# Altium PCB Mainboard_V1.0.PcbDoc (part 1 of 4)
Units mm, origin at the board's own origin, x right, y up, seen from the top; angles counter-clockwise.
Board outline 150 x 150 mm, 4 copper layers (Top Layer, Mid-Layer 1, Mid-Layer 2, Bottom Layer), stack 1.58 mm thick; 217 components, 154 nets, 806 pads, 700 vias.
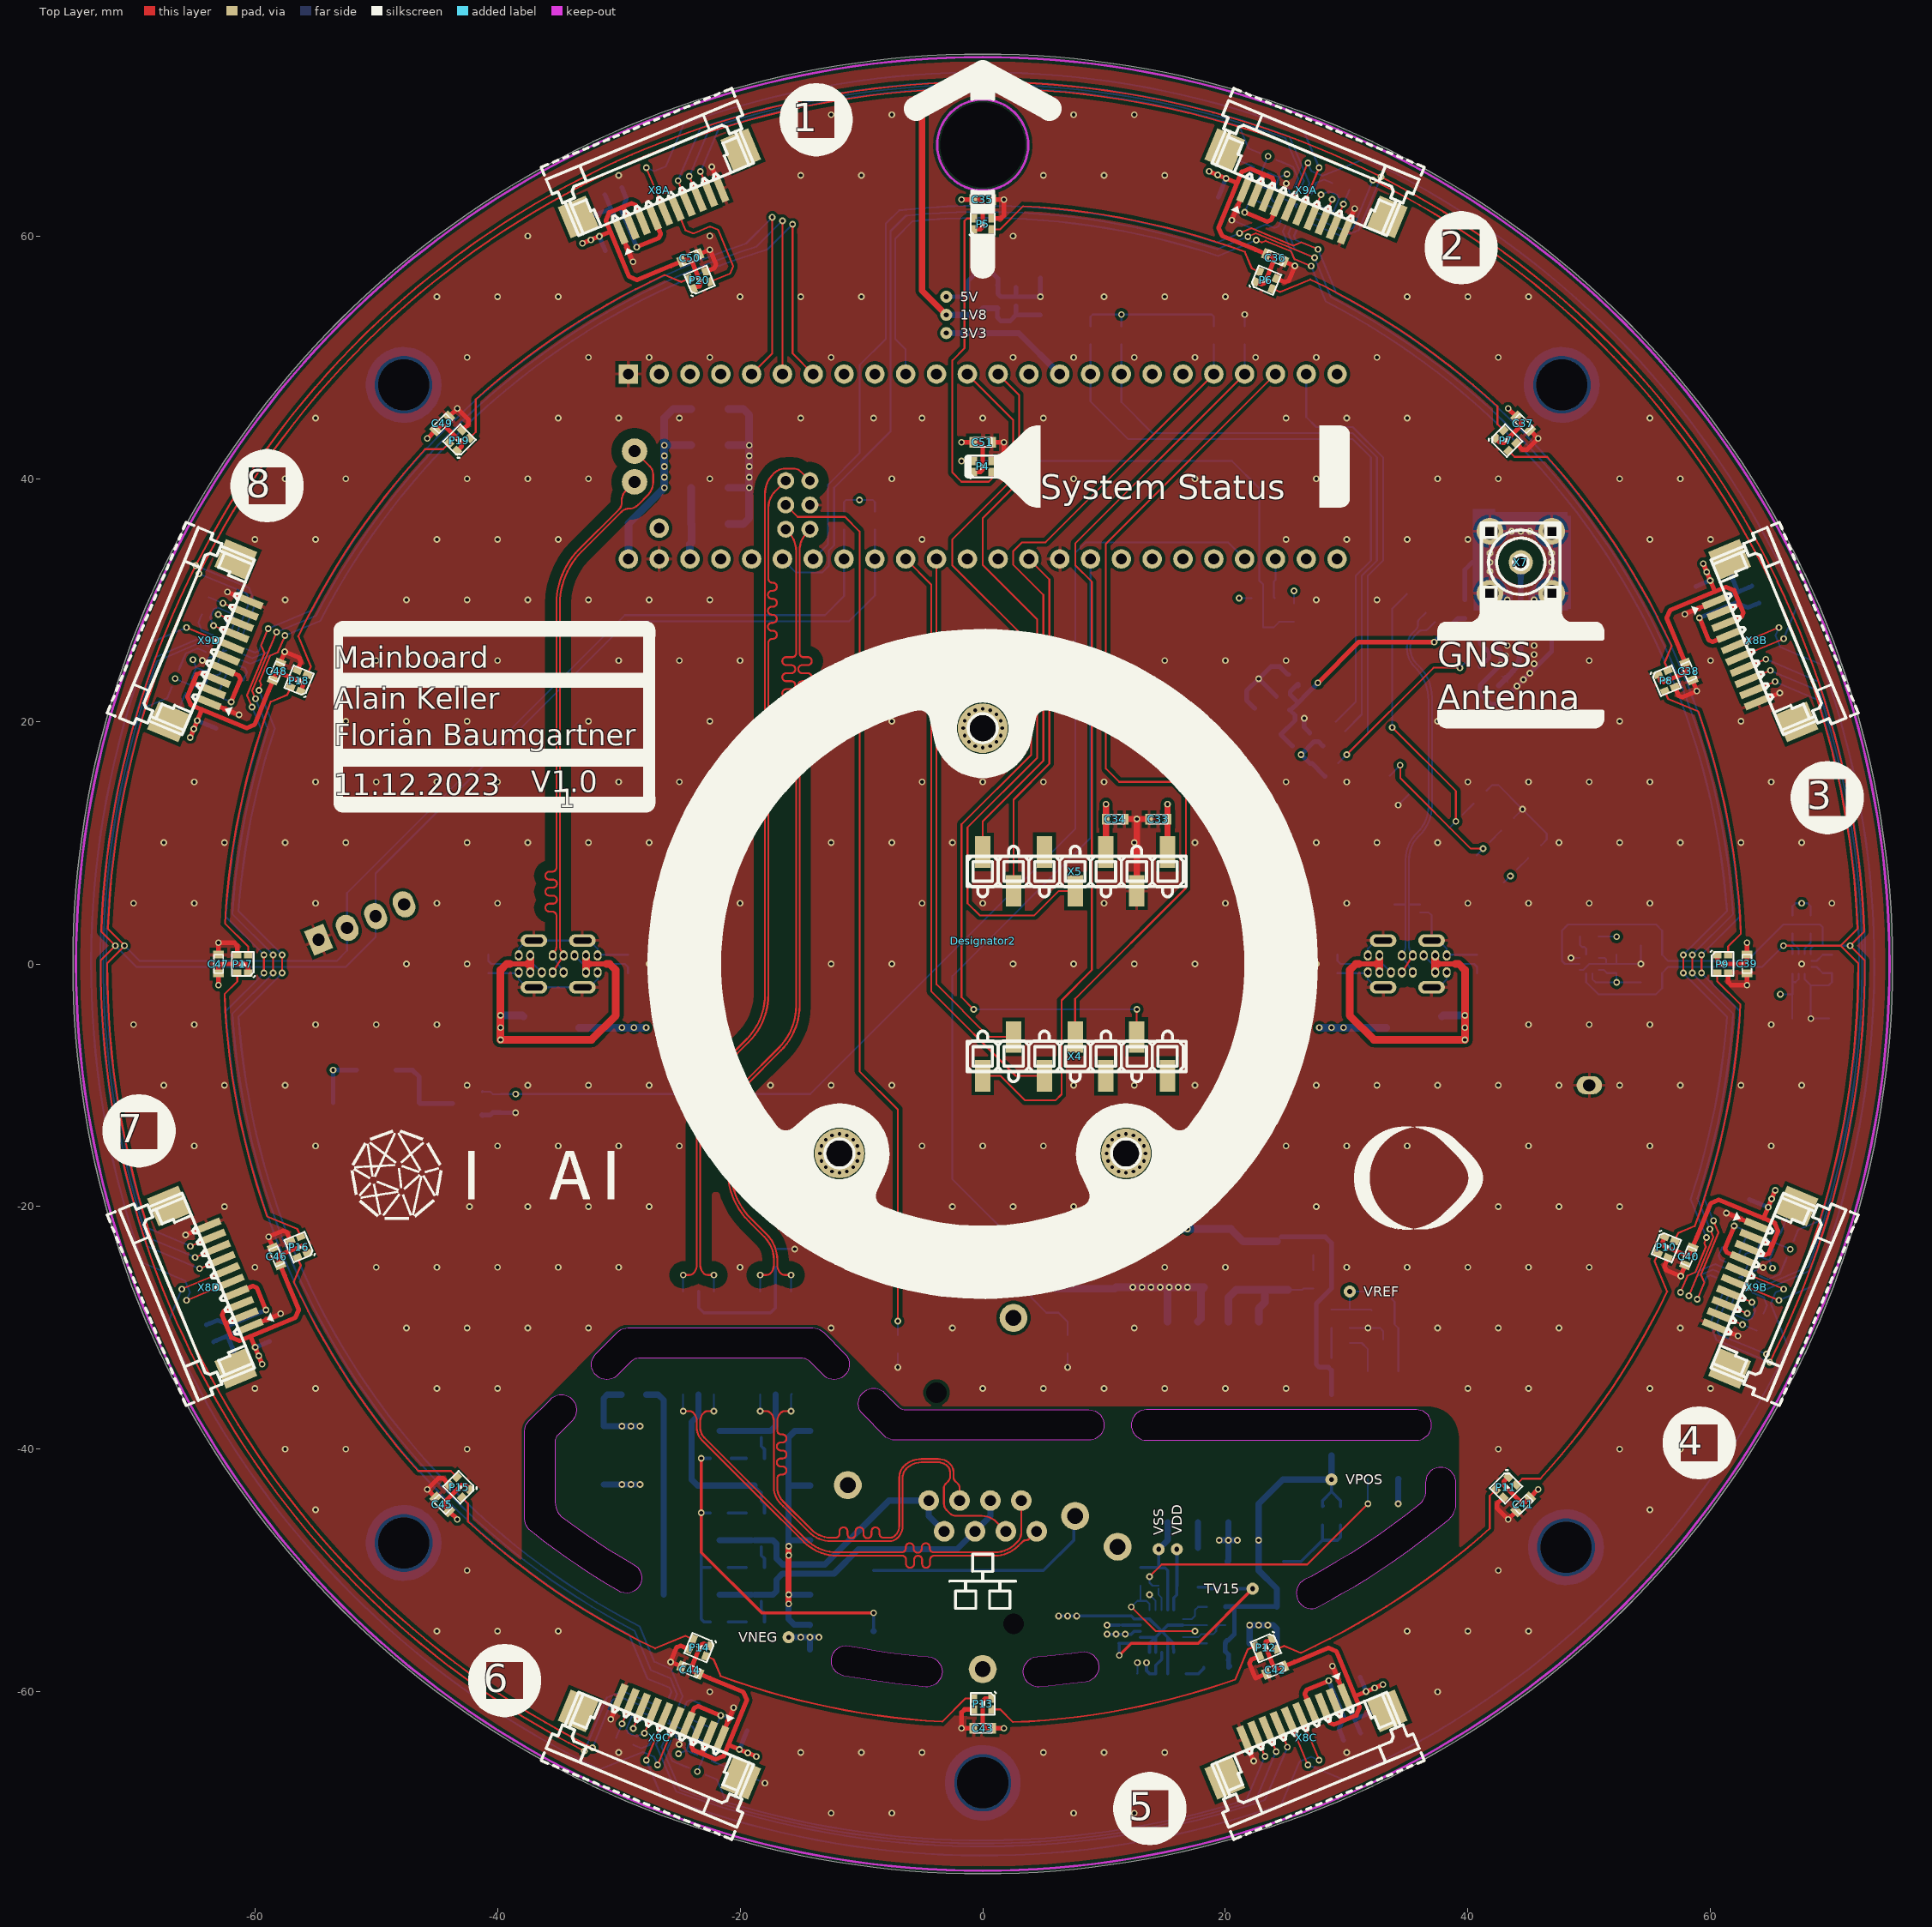
[diagram p0: Top Layer view]
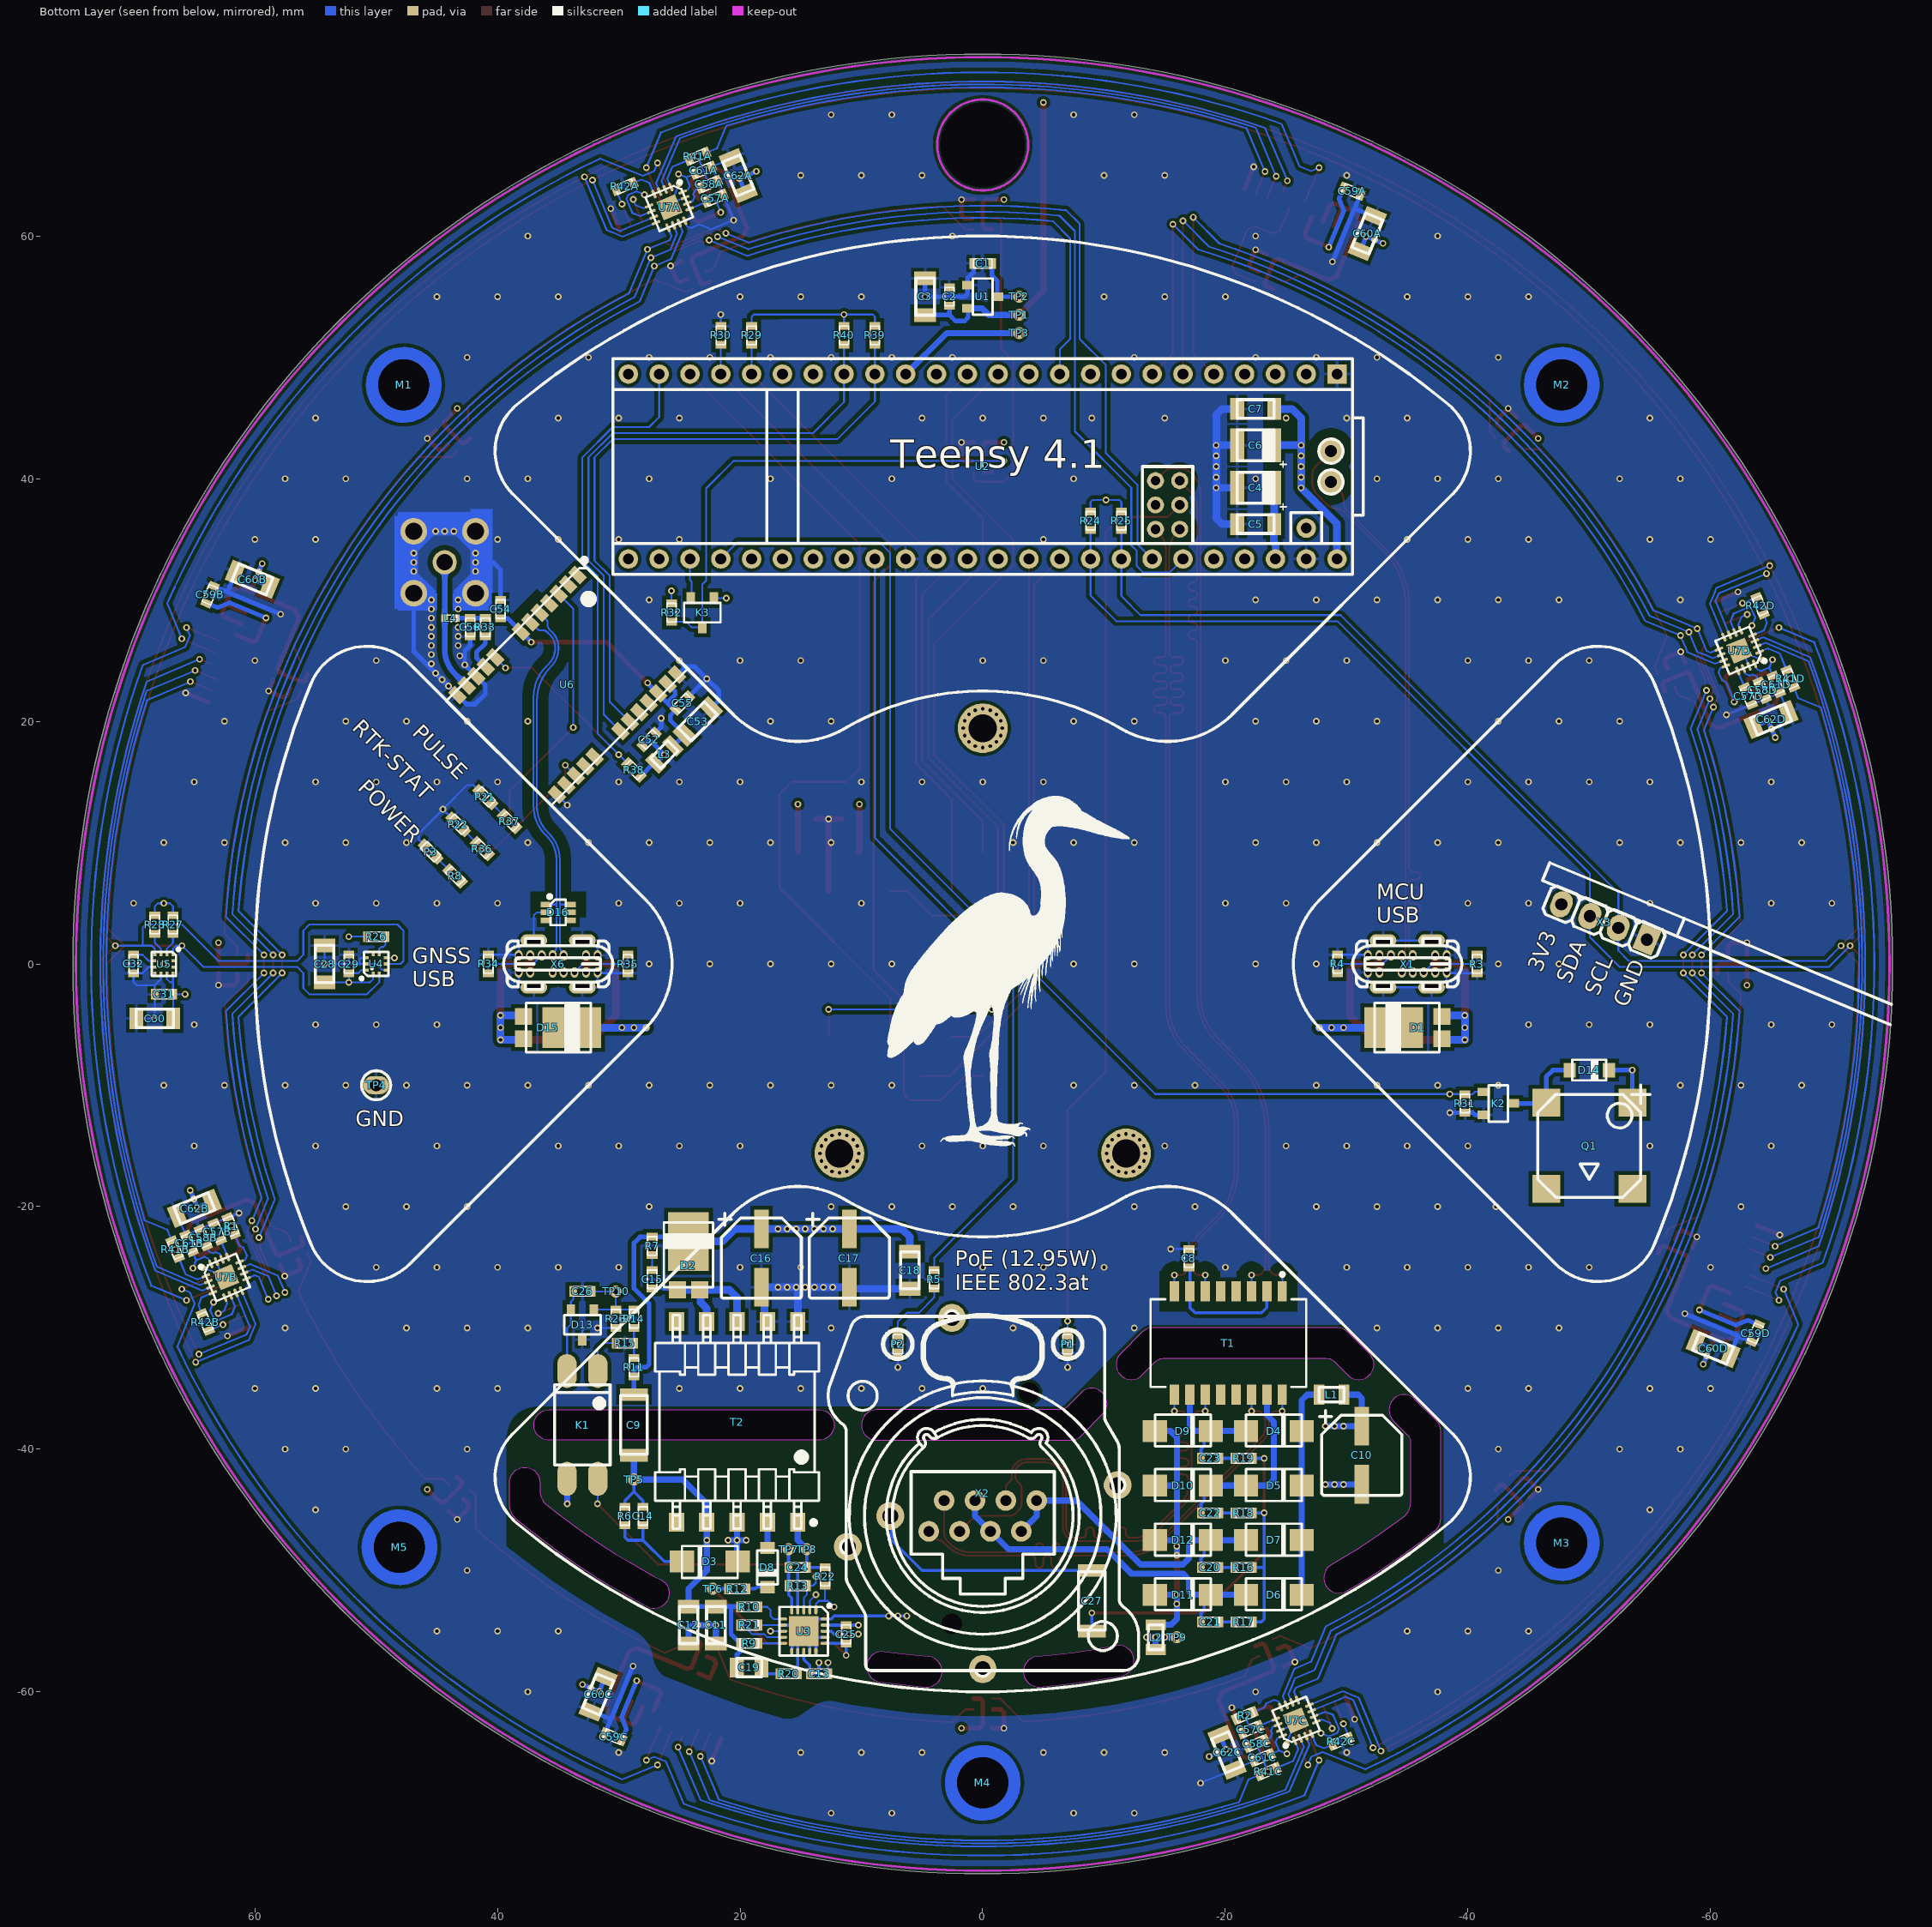
[diagram p1: Bottom Layer view, seen from below]
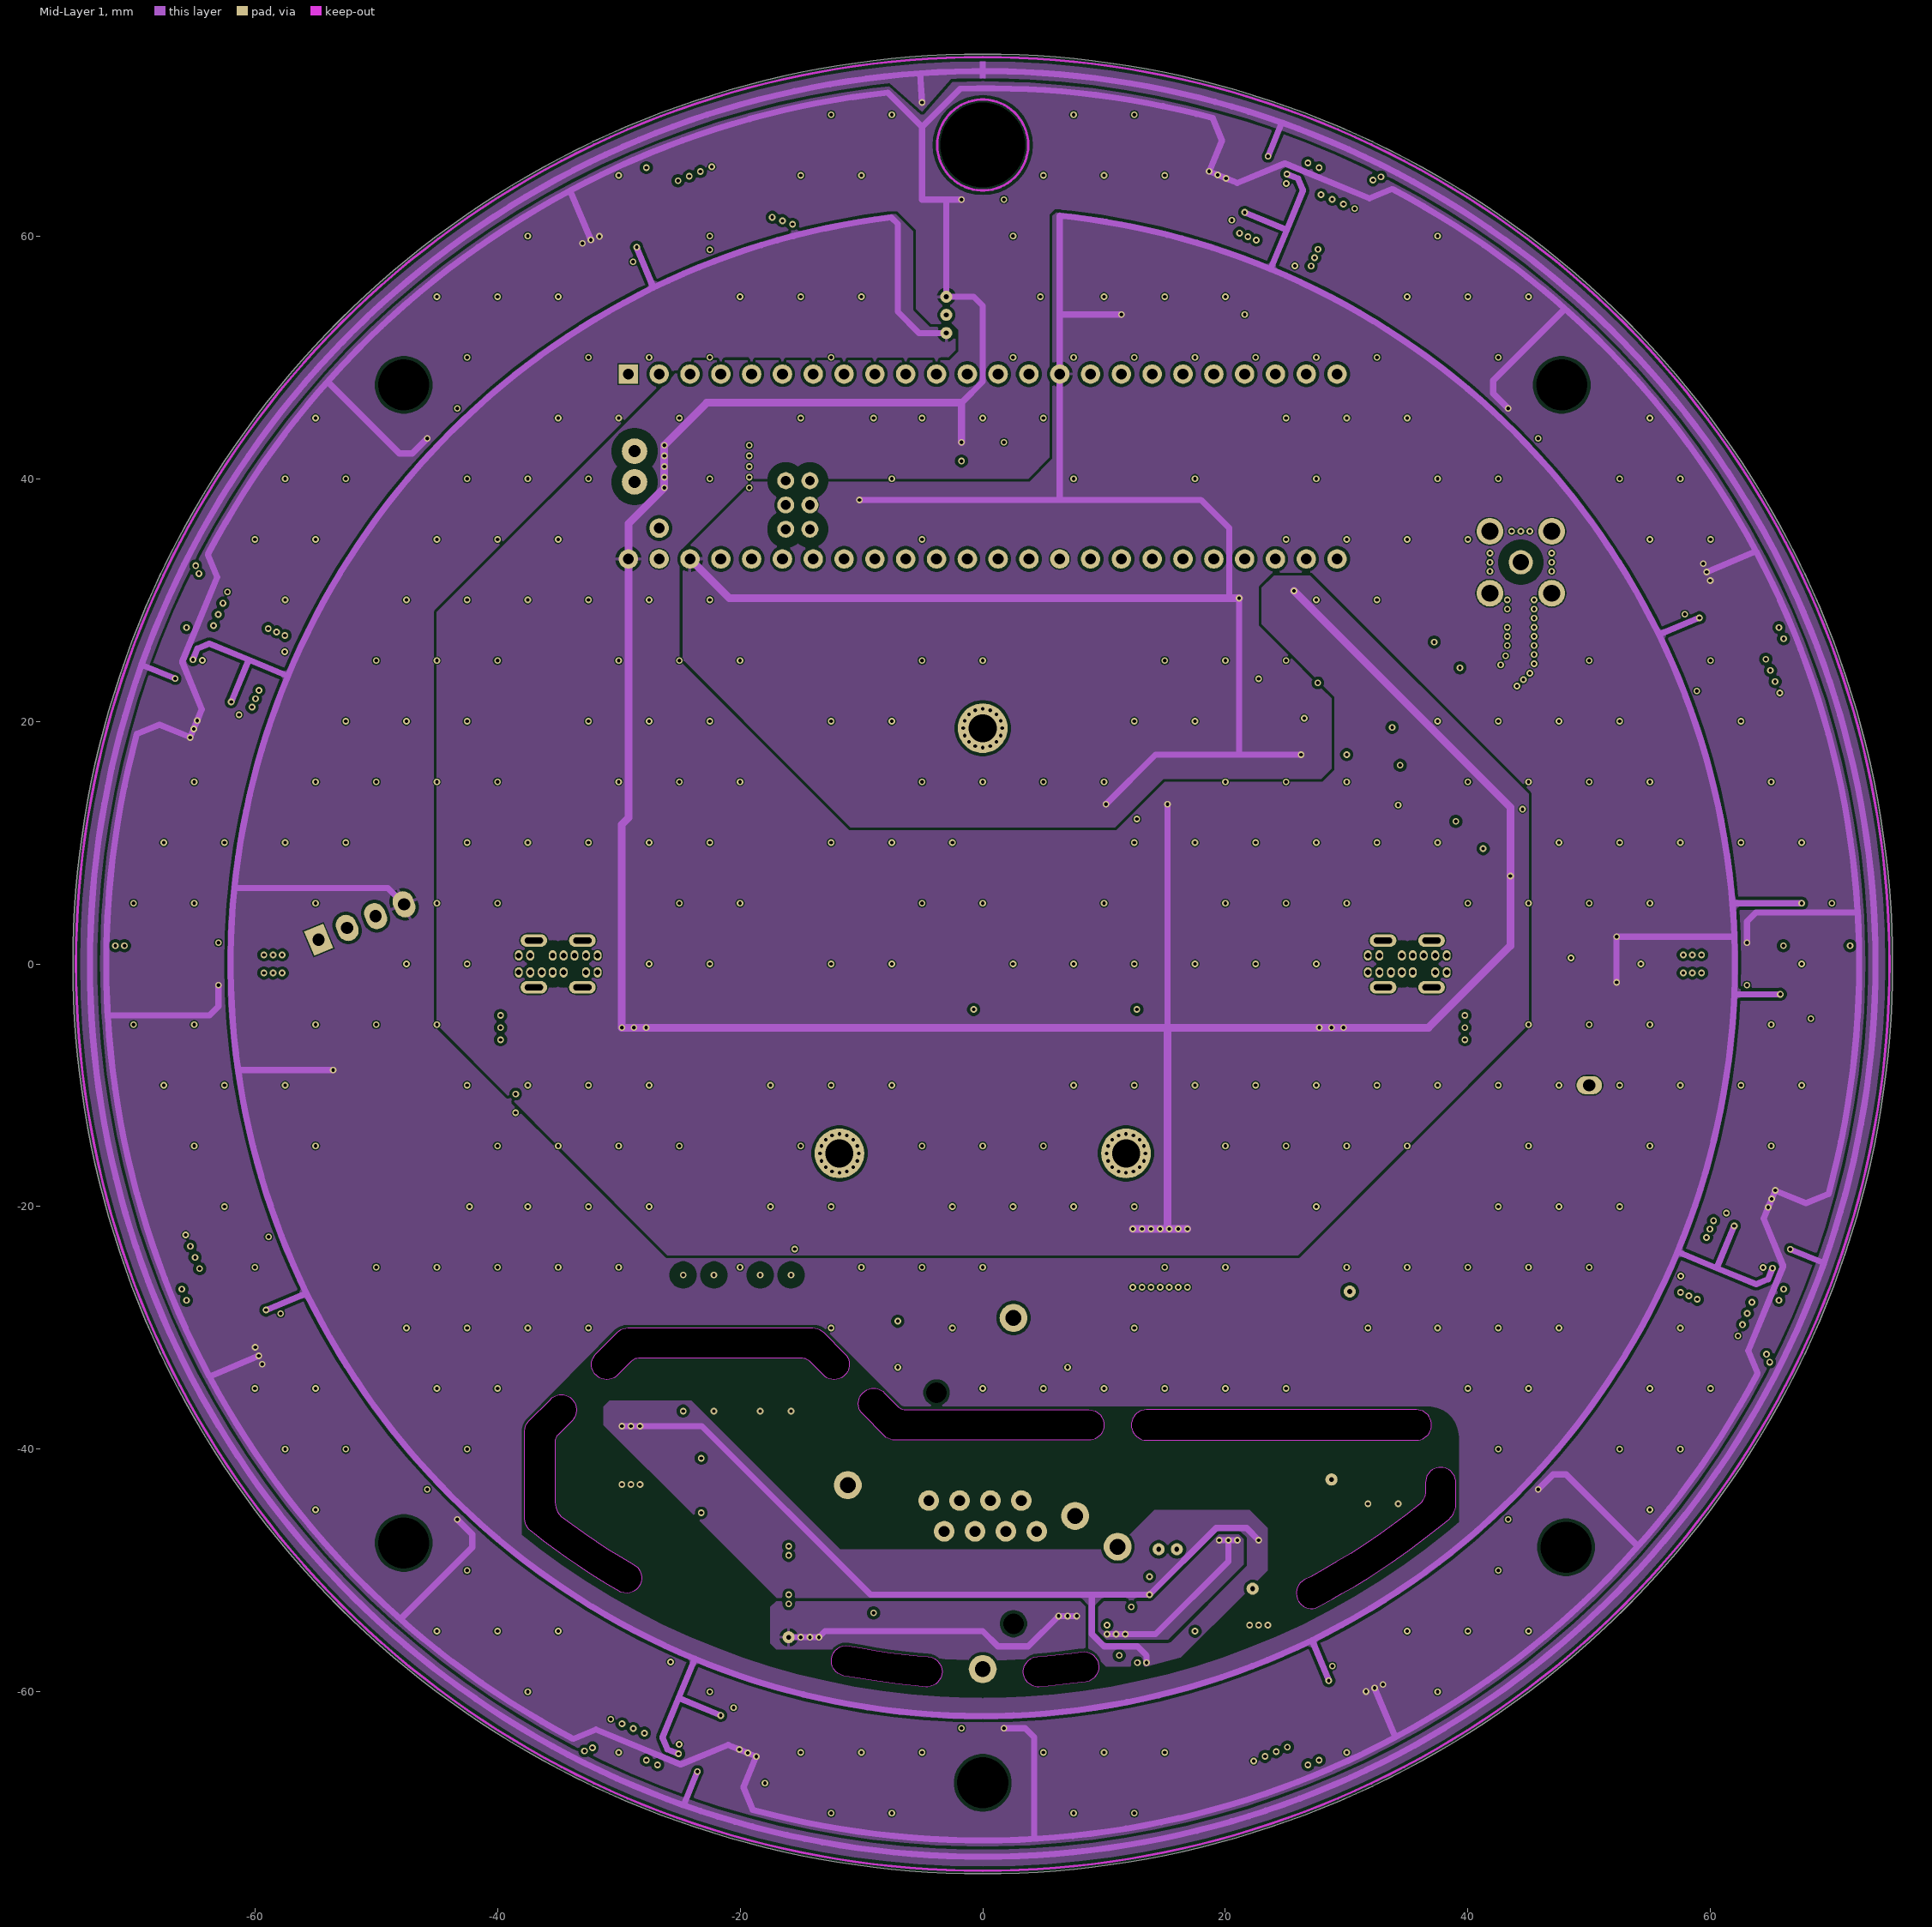
[diagram p2: Mid-Layer 1]
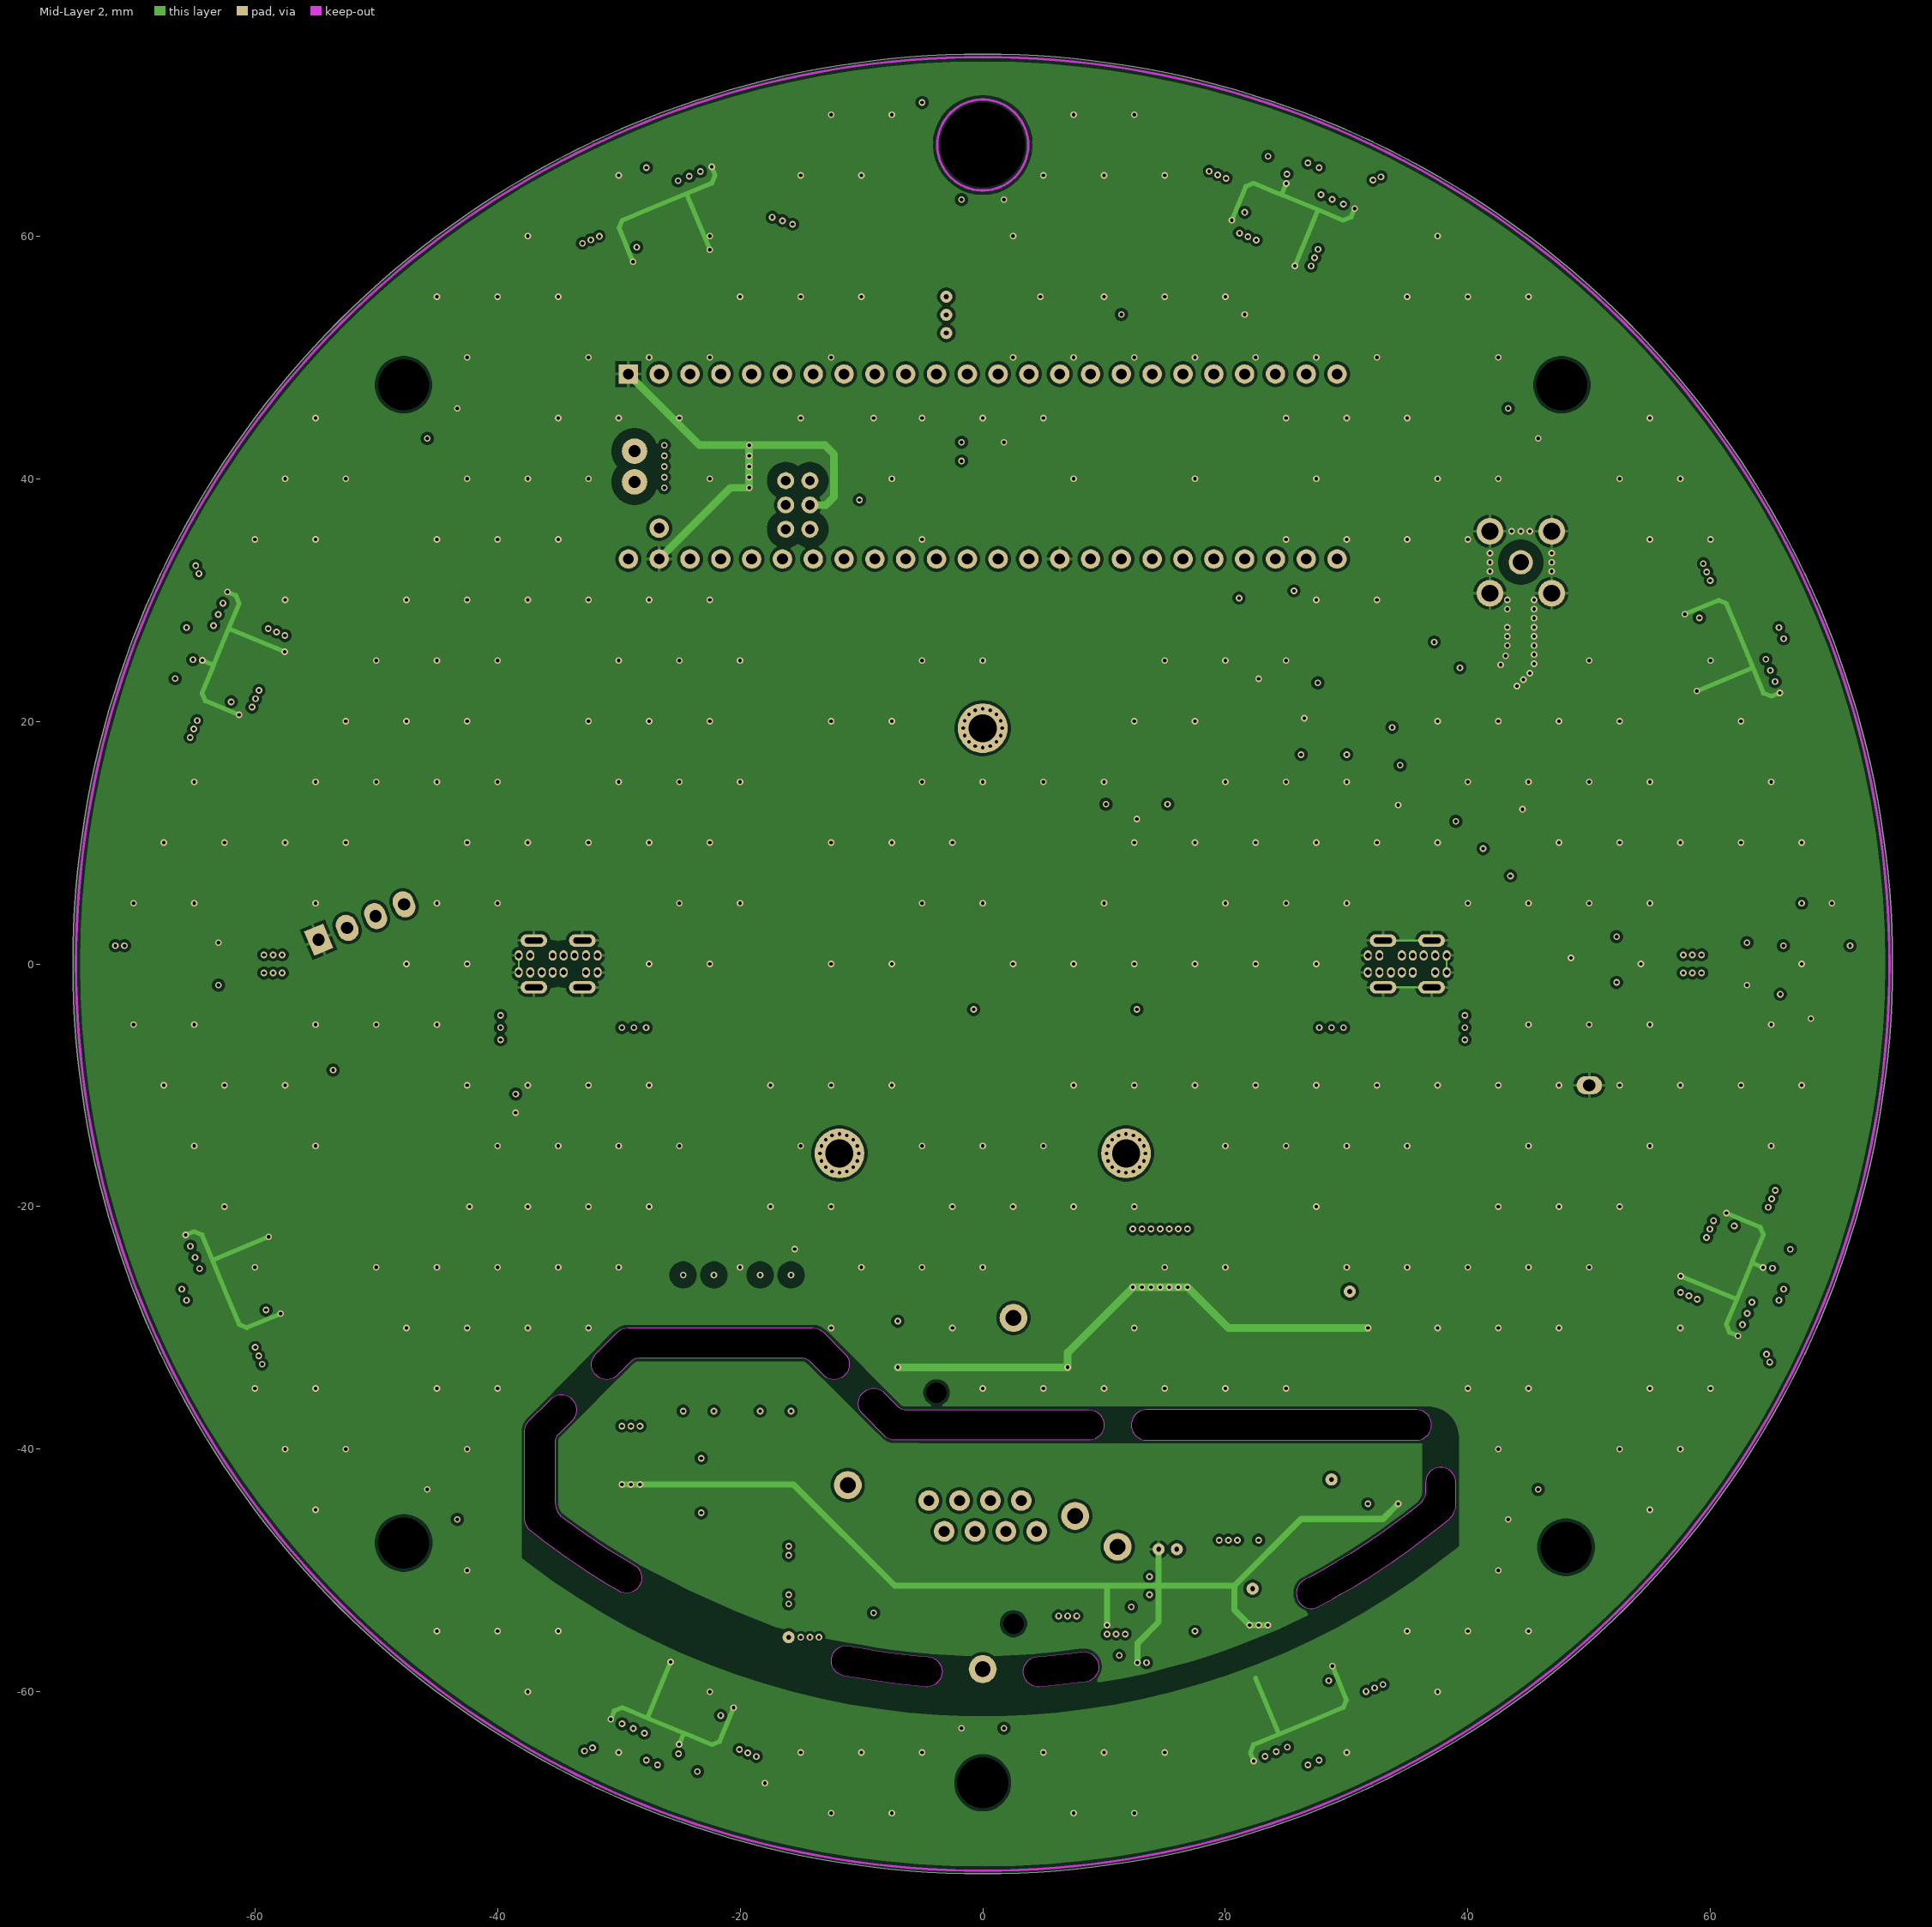
[diagram p3: Mid-Layer 2]

## Layer stack, top to bottom
Top Solder: solder mask 0.01, Solder Resist, Dk 3.5
Top Layer: signal copper 0.036
Dielectric1: dielectric 0.2, FR-4, Dk 4.8
Mid-Layer 1: signal copper 0.036
Dielectric2: dielectric 1.036, FR-4, Dk 4.8
Mid-Layer 2: signal copper 0.036
Dielectric3: dielectric 0.2, FR-4, Dk 4.8
Bottom Layer: signal copper 0.036
Bottom Solder: solder mask 0.01, Solder Resist, Dk 3.5

## Board outline
75,0 cw(c0,0) 0,-75 cw(c0,0) -75,0 cw(c0,0) 0,75 cw(c0,0)
cut-out: 8.75,-36.75 cw(c8.75,-38) 10,-38 cw(c8.75,-38) 8.75,-39.25 -7.255,-39.25 cw(c-7.255,-38.055) -8.1,-38.9 -9.896,-37.104 cw(c-9.043,-36.25) -10.25,-36.25 cw(c-8.983,-36.25) -9.879,-35.354 -9.854,-35.329 cw(c-9,-36.182) -9,-34.975 cw(c-9,-36.242) -8.104,-35.346 -6.93,-36.52 ccw(c-6.375,-35.965) -6.375,-36.75
cut-out: 35.75,-36.75 13.5,-36.75 ccw(c13.5,-38) 12.25,-38 ccw(c13.5,-38) 13.5,-39.25 35.75,-39.25 ccw(c35.75,-38) 37,-38 ccw(c35.75,-38)
cut-out: 27.675,-52.975 28.875,-52.325 29.65,-51.875 30.725,-51.275 31.725,-50.65 32.775,-49.975 33.75,-49.325 35.05,-48.4 36.225,-47.525 37.45,-46.575 38.425,-45.775 38.625,-45.575 38.775,-45.35 38.875,-45.15 38.95,-44.925 39,-44.725 39,-42.75 ccw(c37.75,-42.75) 37.75,-41.5 ccw(c37.75,-42.75) 36.5,-42.75 36.5,-43.378 cw(c34.878,-43.378) 36.025,-44.525 34.875,-45.425 33.525,-46.425 32.75,-46.975 31.525,-47.825 30.3,-48.6 29.15,-49.3 28.2,-49.85 27.075,-50.475 26.5,-50.775 26.3,-50.9 26.175,-51.025 26.05,-51.175 25.925,-51.4 25.875,-51.575 25.85,-51.75 25.85,-51.875 25.875,-52.15 25.95,-52.4 26.025,-52.55 26.2,-52.75 26.45,-52.95 26.6,-53.025 26.8,-53.1 27.025,-53.125 27.225,-53.125 27.4,-53.1
cut-out: -35.625,-35.875 -35.621,-35.871 cw(c-34.725,-36.767) -34.725,-35.5 cw(c-34.725,-36.707) -33.871,-35.854 -33.85,-35.875 cw(c-34.695,-36.72) -33.5,-36.72 -33.5,-36.805 cw(c-34.695,-36.805) -33.85,-37.65 -35.02,-38.82 ccw(c-34.465,-39.375) -35.25,-39.375 -35.25,-44.378 ccw(c-33.628,-44.378) -34.775,-45.525 -33.625,-46.35 -32.625,-47.075 -31.85,-47.6 -30.975,-48.175 -29.85,-48.875 -28.8,-49.5 -28.45,-49.75 -28.375,-49.85 -28.275,-50.025 -28.175,-50.25 -28.125,-50.475 -28.125,-50.7 -28.15,-50.9 -28.225,-51.125 -28.325,-51.3 -28.45,-51.45 -28.575,-51.575 -28.75,-51.7 -28.9,-51.775 -29.075,-51.825 -29.325,-51.875 -29.575,-51.85 -29.8,-51.8 -30,-51.7 -31.075,-51.05 -31.925,-50.525 -32.7,-50.025 -33.425,-49.55 -34.25,-48.975 -35.15,-48.325 -36.175,-47.575 -36.775,-47.1 -37.25,-46.75 -37.396,-46.604 cw(c-36.543,-45.75) -37.75,-45.75 -37.75,-38.495 cw(c-36.555,-38.495) -37.4,-37.65 -35.625,-35.875
cut-out: -14,-30 cw(c-14,-31.206) -13.147,-30.353 -11.354,-32.146 cw(c-12.207,-33) -11,-33 cw(c-12.25,-33) -11.366,-33.884 -11.375,-33.893 cw(c-12.237,-33.03) -12.237,-34.25 -12.28,-34.25 cw(c-12.28,-33.03) -13.143,-33.893 -14.278,-32.757 ccw(c-14.876,-33.355) -14.876,-32.51 -28.374,-32.51 ccw(c-28.374,-33.355) -28.972,-32.757 -30.107,-33.893 cw(c-30.97,-33.03) -30.97,-34.25 -31.013,-34.25 cw(c-31.013,-33.03) -31.875,-33.893 -31.884,-33.884 cw(c-31,-33) -32.25,-33 cw(c-31.043,-33) -31.896,-32.146 -30.103,-30.353 cw(c-29.25,-31.206) -29.25,-30
cut-out: -11,-56.225 -9.9,-56.4 -8.8,-56.6 -7.6,-56.775 -6.375,-56.925 -5.375,-57.025 -4.5,-57.1 -4.225,-57.15 -3.95,-57.275 -3.775,-57.4 -3.575,-57.625 -3.45,-57.85 -3.375,-58.1 -3.35,-58.35 -3.375,-58.6 -3.45,-58.825 -3.575,-59.05 -3.725,-59.225 -3.875,-59.35 -4.075,-59.475 -4.3,-59.55 -4.525,-59.6 -4.7,-59.6 -5.55,-59.5 -6.3,-59.425 -7.225,-59.325 -8.225,-59.2 -9.425,-59.025 -10.55,-58.825 -11.475,-58.675 -11.725,-58.6 -11.925,-58.475 -12.1,-58.325 -12.275,-58.125 -12.375,-57.925 -12.45,-57.7 -12.475,-57.5 -12.475,-57.25 -12.4,-57 -12.3,-56.8 -12.175,-56.6 -11.975,-56.425 -11.75,-56.3 -11.55,-56.225 -11.3,-56.175
cut-out: 8.575,-56.7 8.8,-56.775 9,-56.875 9.15,-57 9.325,-57.2 9.475,-57.45 9.575,-57.9 9.55,-58.125 9.475,-58.375 9.35,-58.625 9.2,-58.825 9,-58.975 8.775,-59.1 8.5,-59.175 7.475,-59.3 6.6,-59.4 5.4,-59.525 4.65,-59.6 4.475,-59.6 4.325,-59.575 4.125,-59.5 3.9,-59.375 3.7,-59.225 3.525,-58.975 3.4,-58.675 3.35,-58.45 3.35,-58.275 3.375,-58.075 3.45,-57.85 3.575,-57.625 3.75,-57.425 3.95,-57.275 4.2,-57.15 4.5,-57.1 5.325,-57.025 6.3,-56.925 7.325,-56.8 8.125,-56.7 8.35,-56.675
